# Allegro board BRD-05058-01_B04.brd (continued)
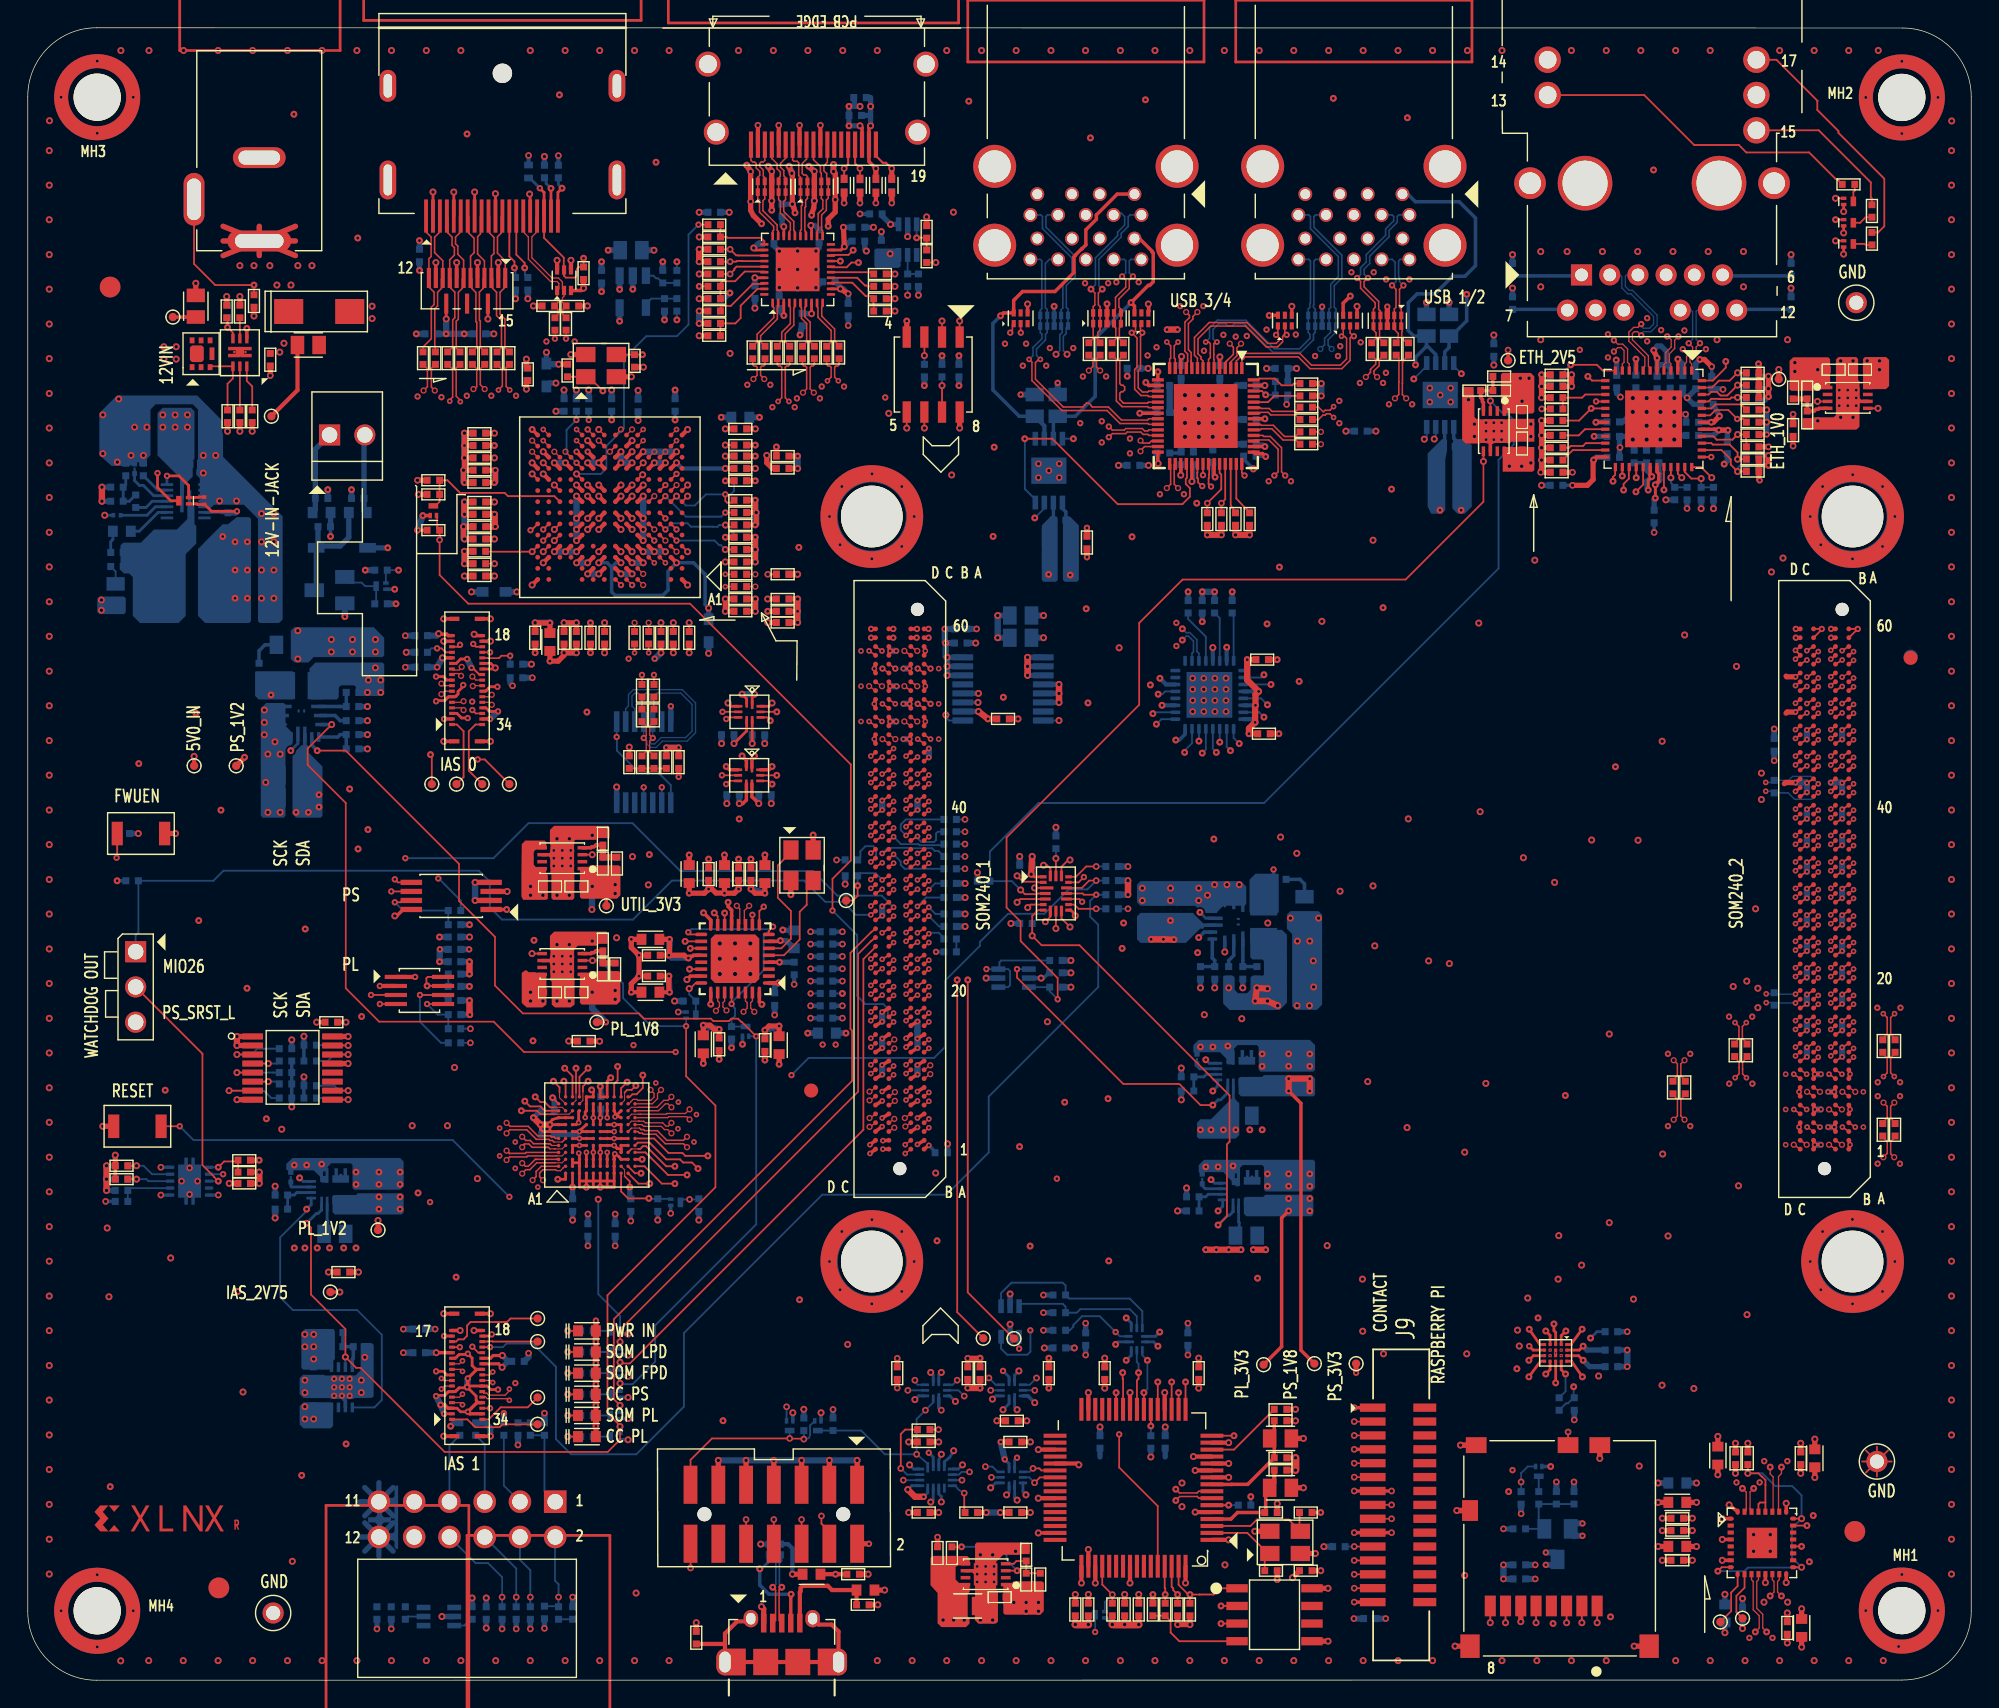
[diagram p0: board, top side]
## Routing (per net, layer and track width the routed paths; a pad name or vN(x,y) marks a point on that pad's centre or on a via; arc(x,y) is an arc through that point) (continued)
IAS0_D1_D_P: length 60.5
  TOP w0.094: J7.30 33.25,70.42 v5(33.42,70.25)
  TOP w0.114: U34.A3 38.1,37.51 38.1,37.51 36.66,37.51 36.66,37.51 36.56,37.51 36.56,37.51 36.06,37.01 35.84,37.01 v5(35.62,37.23)
  L03_SIG w0.099: 33.84,36.84 33.86,36.84 33.89,36.82 34.51,36.82 34.93,37.24 35.28,37.24 35.28,37.23 v5(35.62,37.23)
  L03_SIG w0.112: v5(33.42,70.25) 33.22,70.45 32.91,70.45 32.74,70.28 32.74,69.01 33.24,68.51 33.95,68.51 34.21,68.25 34.21,65.71 34.32,65.6 34.77,65.6 34.88,65.71 34.88,68.25 35.14,68.51 36.31,68.51 36.63,68.19 36.63,66.47 37.03,66.07 38.85,66.07 39.21,65.72 39.21,64.83 38.8,64.42 33.85,64.42 33.54,64.11 33.54,59.62 31.55,57.63 31.55,54.79 30.85,54.1 30.85,46.06 31.55,45.36 31.55,39.25 31.66,39.14 32.3,39.14 32.42,39.03 32.42,38.83 32.27,38.69 31.66,38.69 31.55,38.58 31.55,38.05 32.76,36.84 33.84,36.84
IAS0_D2_D_N: length 60.7
  TOP w0.076: U34.B5 38.49,38.26 37.99,38.26 37.99,38.26
  TOP w0.089: 37.99,38.26 37.94,38.26 37.94,38.27 37.61,38.27
  TOP w0.094: v5(32.03,72.28) 32.28,72.02 J7.26
  TOP w0.114: 37.61,38.27 37.5,38.37 37.41,38.37 37.4,38.38 36.33,38.38 36.09,38.62 35.78,38.62 35.62,38.45 v5(35.62,38.39)
  L03_SIG w0.112: v5(32.03,72.28) 32.2,72.1 32.44,72.1 32.56,72.23 32.56,72.94 33.24,73.62 34.3,73.62 35.66,72.26 35.66,71.29 36.05,70.9 37.14,70.9 37.25,71.01 37.25,72.19 37.51,72.45 38.17,72.45 38.43,72.19 38.43,71.01 38.54,70.9 38.99,70.9 39.1,71.01 39.1,72.19 39.36,72.45 40.02,72.45 40.28,72.19 40.28,71.01 40.39,70.9 40.68,70.9 41.66,69.92 41.66,63.24 40.61,62.19 36.86,62.19 36.05,61.38 36.05,57.94 35.47,57.35 35.47,54.14 34.4,53.08 34.4,41.56 36.52,39.44 36.52,38.9 36.27,38.65 35.88,38.65 v5(35.62,38.39)
IAS0_D2_D_P: length 60.7
  TOP w0.089: 37.74,38.51 U34.A5
  TOP w0.094: J7.27 32.1,71.62 32,71.53 32,71.53 v5(32.06,71.59)
  TOP w0.114: v5(35.62,39.14) 35.88,38.87 36.2,38.87 36.43,38.64 37.51,38.64 37.51,38.63 37.63,38.63 37.74,38.51
  L03_SIG w0.112: v5(35.62,39.14) 35.85,38.9 36.16,38.9 36.27,39.01 36.27,39.33 34.15,41.45 34.15,41.93 34.04,42.04 33.89,42.04 33.78,42.15 33.78,42.37 33.89,42.49 34.04,42.49 34.15,42.6 34.15,42.82 34.04,42.93 33.89,42.93 33.78,43.04 33.78,43.27 33.89,43.38 34.04,43.38 34.15,43.49 34.15,43.72 34.04,43.83 33.89,43.83 33.78,43.94 33.78,44.16 33.89,44.27 34.04,44.27 34.15,44.39 34.15,53.18 35.22,54.25 35.22,57.46 35.8,58.04 35.8,61.49 36.75,62.44 40.5,62.44 41.41,63.34 41.41,69.82 40.58,70.65 40.29,70.65 40.03,70.91 40.03,72.09 39.91,72.2 39.47,72.2 39.35,72.09 39.35,70.91 39.09,70.65 38.44,70.65 38.18,70.91 38.18,72.09 38.06,72.2 37.62,72.2 37.51,72.09 37.51,70.91 37.25,70.65 35.95,70.65 35.41,71.19 35.41,72.16 34.2,73.37 33.35,73.37 32.82,72.84 32.82,72.12 32.54,71.85 32.32,71.85 v5(32.06,71.59)
IAS0_D3_D_N: length 60.6
  TOP w0.076: 37.91,38.76 37.92,38.76 38.49,38.76
  TOP w0.094: J7.11 30.63,72.75 31.08,72.75 31.25,72.92 31.25,72.97 v5(31.26,72.97)
  TOP w0.114: v5(34.49,39.39) 34.49,39.41 34.72,39.63 35.95,39.63 36.63,38.95 37.53,38.95 37.61,38.87 37.8,38.87 37.91,38.76 ; U34.B6 38.49,38.76
  L03_SIG w0.112: v5(31.26,72.97) 31.25,72.97 31.25,72.9 31.11,72.76 30.8,72.76 30.55,72.51 30.55,71.55 31.09,71.01 31.57,71.01 31.71,70.87 32.18,70.87 32.2,70.86 32.46,70.86 33.55,71.94 34,71.94 34.23,71.71 34.23,71.38 34.1,71.24 34.1,70.11 34.84,69.37 39.18,69.37 40.05,68.49 40.05,68.12 39.94,68.01 37.78,68.01 37.52,67.75 37.52,67.09 37.78,66.83 39.94,66.83 40.05,66.72 40.05,64.39 39.3,63.64 36.13,63.64 34.41,61.91 34.41,58.73 32.87,57.19 32.87,47.1 32.68,46.91 32.68,39.9 32.96,39.61 33.55,39.61 33.79,39.37 34.48,39.37 v5(34.49,39.39)
IAS0_D3_D_P: length 60.6
  TOP w0.089: U34.A6 38.02,39.01
  TOP w0.094: v5(31.22,72.33) 31.22,72.33 31.05,72.49 30.63,72.49 J7.10
  TOP w0.114: 38.02,39.01 38.02,39.02 37.92,39.12 37.72,39.12 37.64,39.2 36.74,39.2 36.05,39.89 34.75,39.89 34.5,40.14 v5(34.49,40.14)
  L03_SIG w0.112: v5(34.49,40.14) 34.46,40.17 33.86,40.17 33.55,39.87 33.06,39.87 32.93,40 32.93,41.04 33.16,41.27 33.16,41.43 32.93,41.67 32.93,42.02 33.04,42.14 33.11,42.14 33.22,42.25 33.22,42.47 33.11,42.58 33.04,42.58 32.93,42.7 32.93,42.92 33.04,43.03 33.11,43.03 33.22,43.14 33.22,43.37 33.11,43.48 33.04,43.48 32.93,43.59 32.93,43.81 33.04,43.92 33.11,43.92 33.22,44.04 33.22,44.26 33.11,44.37 33.04,44.37 32.93,44.48 32.93,44.71 33.04,44.82 33.16,44.82 33.27,44.93 33.27,45.15 33.16,45.27 33.04,45.27 32.93,45.38 32.93,46.72 33.12,46.91 33.12,57.08 34.66,58.63 34.66,61.81 36.24,63.39 39.41,63.39 40.31,64.29 40.31,66.82 40.05,67.08 37.88,67.08 37.77,67.2 37.77,67.64 37.88,67.75 40.05,67.75 40.31,68.01 40.31,68.6 39.28,69.62 34.95,69.62 34.35,70.22 34.35,71.14 34.49,71.27 34.49,71.81 34.1,72.2 33.45,72.2 32.36,71.11 32.3,71.11 32.29,71.13 31.81,71.13 31.68,71.26 31.19,71.26 30.8,71.65 30.8,72.4 30.9,72.51 31.1,72.51 31.22,72.39 v5(31.22,72.33)
IAS0_EXTCLK: length 37.1
  TOP w0.076: 37.93,41.26 38.49,41.26 38.74,41.01 U34.B10
  TOP w0.127: J7.32 32.27,69.62 v2(32.03,69.86)
  TOP w0.132: 37.93,41.26 37.62,41.26 37.24,41.64 36.93,41.64 v6(36.56,42.01)
  L12_SIG w0.102: v2(32.03,69.86) 32.08,69.81 32.08,68.84 31.5,68.26 31.5,66.03 33.43,64.11 33.43,42.05 34.95,40.52 35.74,40.52 36.56,41.34 v6(36.56,42.01)
IAS0_RESET: length 38.9
  TOP w0.076: U34.C10 38.99,40.76 37.93,40.76
  TOP w0.127: J7.21 v2(33.3,74.02)
  TOP w0.132: v6(35.56,41.01) 36.68,41.01 36.93,40.76 37.93,40.76
  L12_SIG w0.102: v6(35.56,41.01) 35.03,41.54 34.83,41.54 34.29,42.08 34.29,54.7 33.99,55 33.99,65.58 34.4,65.98 34.4,70.01 33.22,71.2 33.22,73.28 33.3,73.37 v2(33.3,74.02)
IAS0_SCL: length 43.7
  TOP w0.076: U34.B11 38.31,41.95 38.31,42.32
  TOP w0.127: J7.14 30.1,74.02 29.81,74.31 v2(29.49,74.31)
  TOP w0.132: v6(37.87,43.14) 38.31,42.7 38.31,42.32
  L12_SIG w0.102: v2(29.49,74.31) 30.17,74.31 30.58,74.72 30.58,75.3 31.16,75.88 33,75.88 34.09,74.79 34.09,73.48 35.44,72.13 35.44,59.93 34.96,59.45 34.96,46.05 v6(37.87,43.14)
  BOTTOM w0.132: v2(29.49,74.31) 29.08,74.31 R257.2
IAS0_SDA: length 37.4
  TOP w0.076: U34.C11 39.24,41.51 39.49,41.76 39.49,42.32
  TOP w0.127: J7.22 33.12,73.62 33.14,73.6 33.95,73.6 34.12,73.78 v2(34.75,73.78)
  TOP w0.132: v6(39.49,44.07) 39.49,42.32
  L12_SIG w0.102: v2(34.75,73.78) 35.93,72.6 35.93,72.02 36.08,71.87 36.08,58.8 35.69,58.41 35.69,47.88 v6(39.49,44.07)
  BOTTOM w0.132: R258.2 v2(34.75,73.78)
IAS1_EXTCLK: length 44.3
  TOP w0.127: J8.32 v2(33.3,19.59)
  TOP w0.132: U17.18 v6(47.35,53.21)
  L05_SIG w0.102: v2(33.3,19.59) 34.1,19.59 34.13,19.62 35.62,19.62 39.49,23.5 40.77,23.5 41.93,24.66 41.93,25.24 45.38,28.69 45.38,31.79 47.8,34.21 47.85,34.21 48.09,34.45 48.09,36.41 47.61,36.89 47.61,44.09 47.88,44.36 47.88,48.89 47.07,49.7 47.07,52.92 v6(47.35,53.21)
IAS1_I2C_SCK: length 37.5
  TOP w0.127: J8.14 v2(31.12,23.99)
  TOP w0.132: U18.7 v4(14.5,42.46)
  L03_SIG w0.102: v4(14.5,42.46) 15.25,42.46 15.36,42.57 22.2,42.57 22.67,43.04 23.45,43.04 23.9,42.59 23.9,37.5 24.23,37.17 24.23,31.26 30.38,25.1 30.38,24.72 v2(31.12,23.99)
  BOTTOM w0.132: v4(14.5,42.46) 14.53,42.43 17.04,42.43 17.55,41.92 R58.2
IAS1_I2C_SDA: length 32.4
  TOP w0.127: J8.22 32.46,23.59 v2(32.03,24.02)
  TOP w0.132: U18.6 v4(17.33,43.11)
  L03_SIG w0.102: v2(32.03,24.02) 31.7,24.35 31.7,25.54 24.76,32.48 24.76,42.33 23.53,43.56 22.12,43.56 21.6,43.03 18.81,43.03 18.73,43.11 v4(17.33,43.11)
  BOTTOM w0.132: v4(17.33,43.11) 17.95,43.11 R63.2
IAS1_RESET_B: length 80.2
  TOP w0.127: J8.21 v2(33.3,23.99) ; v2(76.97,56.57) 76.97,56.57 76.08,56.57 75.99,56.66 U19.14
  BOTTOM w0.132: R208.2 v2(76.97,56.57) 76.53,56.13 76.53,54.99 77.11,54.41 77.11,49.92 69.23,42.03 69.23,38.01 66.18,34.96 57.23,34.96 47.27,25 47.27,19.7 43.84,16.27 39.14,16.27 38.05,17.36 38.05,22.57 36.38,24.24 34.48,24.24 34.23,23.99 v2(33.3,23.99)
IAS_2V75: length 5.1
  TOP w0.254: TP23.1 v4(22.48,27.95) ; v4(32.15,75.33) 32.26,75.22 J7.18 ; J8.17 v4(31.15,25.19) ; v4(29.6,75.36) 29.63,75.33 30.18,75.33 30.28,75.22 J7.17 ; J8.18 v4(32.15,25.19)
  BOTTOM w0.432: C142.1 29.46,75.22 v4(29.6,75.36) ; C135.1 v1(29.35,25.29)
  vias: v4(19.96,24.91) v4(19.96,24.02) v4(20.6,24.91) v4(20.6,24.02) v4(20.6,23.13)
IAS_2V75_FB: length 3.3
  BOTTOM w0.254: R27.2 C27.2 R29.1 23.45,23.19 23.38,23.12 U8.4
ISP_EXTCLK: length 23.6
  TOP w0.132: U17.19 47.74,52.71 v6(47.73,52.7) ; v6(46.62,35.76) 45.68,35.76 44.43,37.01 43.74,37.01 U34.M2
  L12_SIG w0.102: v6(46.62,35.76) 46.62,36.24 47.52,37.14 47.52,43.14 45.26,45.41 45.26,50.02 45.27,50.04 45.27,50.49 46.28,51.5 46.53,51.5 v6(47.73,52.7)
ISP_I2C_SCK: length 37.3
  TOP w0.132: U34.C12 39.24,43.51 v6(38.68,44.07) ; U18.5 v4(15.07,43.76)
  L12_SIG w0.102: v6(38.68,44.07) 39.09,43.66 39.09,40.77 37.82,39.51 34.95,39.51 33.81,40.65 21.95,40.65 17.63,44.97 16.28,44.97 v4(15.07,43.76)
  BOTTOM w0.132: v4(15.07,43.76) 17.67,43.76 17.67,43.76 R57.2
ISP_I2C_SDA: length 33.2
  TOP w0.132: v6(40.37,44.07) 39.74,43.45 U34.D12 ; U18.4 v4(17.33,44.41)
  L12_SIG w0.102: v4(17.33,44.41) 22.6,39.14 38.19,39.14 39.29,40.24 39.29,40.63 39.97,41.31 39.97,43.68 v6(40.37,44.07)
  BOTTOM w0.132: R62.2 17.93,44.41 v4(17.33,44.41)
ISP_RESET_B: length 49.9
  TOP w0.127: U19.15 75.93,57.06 76.46,57.58 v1(76.97,57.58)
  TOP w0.132: U34.L1 43.99,35.76 v6(44.81,35.76)
  L12_SIG w0.102: v6(44.81,35.76) 45.37,35.2 47.2,35.2 50.07,38.07 50.07,38.63 v2(55.01,43.58)
  BOTTOM w0.132: R207.2 v1(76.97,57.58) 76.33,56.95 74.99,56.95 73.24,55.19 70.62,55.19 68.59,53.17 68.59,52.88 66.07,50.37 66.07,45.6 65.29,44.81 56.25,44.81 v2(55.01,43.58)
JTAG_TCK_C2M: length 87.1
  TOP w0.132: J3.6 v1(55.74,11.57) ; JA1.A25 v3(64.91,53.76) ; R66.2 v1(65.61,18.05)
  L03_SIG w0.102: v1(65.61,18.05) 61.24,18.05 55.74,12.56 v1(55.74,11.57)
  L05_SIG w0.102: v1(55.74,11.57) 55.74,10.45 56.84,9.36 61.12,9.36 61.27,9.51 66.04,9.51 66.64,10.11 71.01,10.11 73.48,12.59 73.48,16.6 71.86,18.21 68.1,18.21 66.34,19.97 66.34,20.64 66.7,20.99 67.05,20.99 68.2,22.14 68.2,23.51 68.02,23.69 68.02,48.78 68.27,49.03 68.27,50.96 65.48,53.76 v3(64.91,53.76)
  BOTTOM w0.132: v3(64.91,53.76) 64.98,53.83 65.63,53.83 65.99,53.46 R264.1
JTAG_TDI_C2M: length 86.4
  TOP w0.132: J3.10 v1(51.74,11.57) ; JA1.A24 v3(64.91,53.12)
  L03_SIG w0.102: v1(63.07,14.41) 59.09,10.43 52.89,10.43 v1(51.74,11.57)
  L05_SIG w0.102: v1(51.74,11.57) 52.34,10.98 54.06,10.98 55.16,12.07 55.96,12.07 56.21,11.83 56.21,10.86 56.87,10.2 59.97,10.2 60.34,10.57 65.22,10.57 65.37,10.72 65.71,10.72 65.86,10.57 69.71,10.57 72.32,13.18 72.32,13.52 71.86,13.99 71.86,16.12 70.31,17.66 68.21,17.66 66.11,19.75 66.11,21.43 67.03,22.34 67.03,23.53 67.44,23.93 67.44,48.81 66.5,49.74 66.5,52.03 65.41,53.12 v3(64.91,53.12)
  BOTTOM w0.132: U22.14 v1(63.07,14.41)
JTAG_TDO_M2C: length 82.4
  TOP w0.132: JA1.A23 v3(64.09,51.92) ; J3.8 v1(53.74,11.57)
  L03_SIG w0.102: v1(63.4,20.88) 61.97,19.45 58.77,19.45 53.74,14.42 v1(53.74,11.57)
  L05_SIG w0.102: v1(53.74,11.57) 54.81,12.64 56.11,12.64 56.64,12.1 56.64,11.29 57.18,10.76 59.63,10.76 59.99,11.11 68.79,11.11 69.47,11.79 69.47,13.03 70.28,13.84 70.28,13.86 70.46,14.04 70.46,15.15 68.43,17.18 67.48,17.18 65.39,19.27 65.39,21.09 66.34,22.04 66.34,36.95 65.84,37.45 65.84,39 66.18,39.35 66.18,51.16 65.11,52.24 64.41,52.24 v3(64.09,51.92)
  BOTTOM w0.132: U25.4 v1(63.4,20.88)
JTAG_TMS_C2M: length 79.6
  TOP w0.132: JA1.A22 v3(64.91,51.85) ; v1(57.17,11.83) 57.17,11.27 57.74,10.7 J3.4
  L03_SIG w0.102: v1(63.9,21.6) 64.41,21.1 64.41,20.08 63.01,18.68 59.81,18.68 55.04,13.91 55.04,11.42 55.42,11.04 56.39,11.04 v1(57.17,11.83)
  L05_SIG w0.102: v3(64.91,51.85) 65.84,50.93 65.84,39.83 65.43,39.42 65.43,38.03 64.57,37.17 64.57,20.59 65.1,20.05 65.1,19.16 67.89,16.37 68.65,16.37 70.05,14.97 70.05,13.93 68.92,12.8 67.78,12.8 66.5,11.52 62.2,11.52 60.3,13.43 58.18,13.43 57.17,12.42 v1(57.17,11.83)
  BOTTOM w0.132: U25.5 64.11,21.28 63.9,21.48 v1(63.9,21.6)
JTAG_VCCO_ON: length 23.4
  TOP w0.132: U24.21 v6(81.4,21.48) ; v1(67.46,13.48) 67.46,12.14 R241.1
  L03_SIG w0.102: v6(81.4,21.48) 81.4,20.83 80.16,19.59 80.16,17.41 76.51,13.77 70.34,13.77 70.01,13.44 67.5,13.44 v1(67.46,13.48)
  BOTTOM w0.132: v1(67.46,13.48) 67.08,13.7 66.8,14.01 U22.8
LS_OE_B: length 13.6
  BOTTOM w0.132: v1(64.03,16.27) 64.83,15.6 U22.1 ; v1(64.03,16.27) 64.03,18.81 v1(64.67,19.45) 65.23,20.01 U25.2 ; v1(64.03,16.27) 61.75,16.27 60.04,17.98 R233.2 Q12.3
MIO26: length 63.4
  TOP w0.132: JA1.D28 v3(60.73,55.12)
  BOTTOM w0.132: J1.1 7.77,53.64 7.97,53.84 R45.2 13.38,57.57 14.1,58.3 32.49,58.3 33.28,57.51 33.28,55.66 34.17,54.77 43.6,54.77 46.41,57.58 55.92,57.58 57.45,56.05 58.72,56.05 59.66,55.12 v3(60.73,55.12)
MIO27: length 14.5
  TOP w0.132: JA1.D29 v3(60.73,55.75) ; U28.8 53.38,64.77 v6(53.62,64.53)
  L12_SIG w0.102: v3(60.73,55.75) 58.28,55.75 55.01,59.02 55.01,63.13 v6(53.62,64.53)
MIO28: length 18.7
  TOP w0.132: JA1.D30 v3(61.55,56.96) ; U30.9 v6(53.96,69.74)
  L12_SIG w0.102: v3(61.55,56.96) 61.25,56.65 60.58,56.65 60.22,57.01 60.22,63.47 v6(53.96,69.74)
MIO29: length 19.8
  TOP w0.132: JA1.C30 v3(62.37,56.93) ; U30.8 53.26,69.34 v6(53.49,69.1)
  L12_SIG w0.102: v6(53.49,69.1) 57.68,64.91 57.68,57.75 58.77,56.66 60.2,56.66 60.45,56.4 61.84,56.4 v3(62.37,56.93)
MIO30: length 18
  TOP w0.132: U28.9 v6(53.95,65.17) ; JA1.C31 v3(62.37,57.57)
  L12_SIG w0.102: v6(53.95,65.17) 55.78,63.34 55.78,58.92 58.55,56.15 62.07,56.15 62.49,56.57 62.52,56.57 62.73,56.78 62.73,56.81 62.76,56.84 62.76,57.18 v3(62.37,57.57)
MIO31: length 5
  TOP w0.132: v6(59.78,57.22) 59.78,56.49 59.44,56.15 TP37.1 ; JA1.C32 v3(61.55,57.63)
  BOTTOM w0.132: v6(59.78,57.22) R263.1 59.97,58.12 61.06,58.12 v3(61.55,57.63)
MIO32_NC: length 0.4
  TOP w0.132: JA1.A31 v3(64.91,57.57)
MIO33_NC: length 0.6
  TOP w0.132: JA1.A32 v3(64.09,57.63)
MIO34_NC: length 0.4
  TOP w0.132: JA1.B38 v3(63.27,61.47)
MIO35: length 74
  TOP w0.132: JA1.B28 v3(63.27,55.12)
  L03_SIG w0.102: v6(28.12,35.09) 28.12,34.28 29.99,32.41 39.81,32.41 41.64,34.23 41.64,36.5 42.72,37.59 42.72,40.68 42.69,40.72 42.69,40.73 42.46,40.96 42.45,40.96 41.64,41.77 41.64,42.92 41.63,42.93 41.63,43.17 41.48,43.32 41.48,44.39 43.31,46.22 46.79,46.22 47.34,45.66 49.74,45.66 50.31,45.1 51.97,45.1 52.23,45.35 58.52,45.35 59.36,46.19 59.36,52.37 61.54,54.55 62.7,54.55 v3(63.27,55.12)
  L12_SIG w0.102: v6(28.12,35.09) 27.53,35.09 27.41,35.22 23.11,35.22 22.86,34.96 16.66,34.96 15.19,36.44 v2(14.07,36.44)
  BOTTOM w0.132: v2(14.07,36.44) U13.7
MIO36: length 40.7
  TOP w0.132: JA1.B29 v3(63.27,55.75)
  L05_SIG w0.102: v3(63.27,55.75) 63.65,55.37 63.65,54.75 63.85,54.55 65.4,54.55 67.99,51.96 68.98,51.96 69.52,51.42 69.52,49.08 69.19,48.76 69.19,23.02 68.71,22.54 68.71,21.53 v1(69.37,20.88)
  BOTTOM w0.132: U64.4 v1(69.37,20.88)
MIO37: length 40.5
  TOP w0.132: JA1.B30 v3(64.09,56.96)
  L05_SIG w0.102: v3(64.09,56.96) 64.11,56.96 64.83,56.24 65.24,56.24 66.43,55.04 66.43,54.13 67.52,53.04 68.69,53.04 69.98,51.74 69.98,23.13 69.24,22.39 v1(69.24,21.77)
  BOTTOM w0.132: v1(69.24,21.77) 69.73,21.28 U64.5
MIO38: length 12.1
  TOP w0.132: v4(72.03,55.64) 72.25,55.86 U19.6 ; JA1.B32 v3(63.27,57.66)
  L12_SIG w0.102: v4(72.03,55.64) 71.66,55.64 71.53,55.51 68.98,55.51 68.78,55.72 66.75,55.72 65.56,56.91 65.56,57.55 65.05,58.05 63.67,58.05 v3(63.27,57.66)
MIO39: length 68.1
  TOP w0.132: JA1.B33 v3(64.09,58.86)
  TOP w0.203: v6(108.14,23.04) 108.47,23.37 U38.E3
  L05_SIG w0.102: v3(64.09,58.86) 64.49,58.47 65.04,58.47 67.11,56.4 67.11,56.19 67.75,55.55 68.21,55.55 71.76,52 71.76,39.66 88.38,23.04 v6(108.14,23.04)
MIO40_NC: length 0.4
  TOP w0.132: JA1.B34 v3(63.27,58.93)
MIO41_NC: length 0.4
  TOP w0.132: JA1.A34 v3(64.91,59.47)
MIO42_NC: length 0.6
  TOP w0.132: JA1.A35 v3(64.09,59.54)
MIO43: length 10
  TOP w0.132: v4(71.27,57.93) 71.69,57.5 72.72,57.5 72.77,57.46 U19.2 ; JA1.A36 v3(64.91,60.74)
  L12_SIG w0.102: v4(71.27,57.93) 68.55,60.64 67.08,60.64 66.98,60.74 v3(64.91,60.74)
MIO44: length 14.3
  TOP w0.132: U19.5 71.51,56.26 v4(71.27,56.02) ; JA1.D32 v3(60.73,57.66)
  L12_SIG w0.102: v3(60.73,57.66) 61.38,58.31 65.81,58.31 67.33,56.78 68.6,56.78 69.37,56.02 v4(71.27,56.02)
MIO45: length 86.4
  TOP w0.132: JA1.D33 v3(61.55,58.86) ; J11.13 v1(110.96,17.87)
  L02_GND w0.127: v7(110.47,23.77) 110.47,23.77 110.51,23.77 111.37,24.64 v6(112.58,24.64)
  L05_SIG w0.102: v3(61.55,58.86) 62,59.31 62,59.62 62.31,59.93 64.94,59.93 65.04,59.84 65.07,59.84 65.28,59.62 65.28,59.59 66.68,58.19 66.68,57.53 67.43,56.78 67.84,56.78 72.44,52.18 72.44,40.09 87.9,24.64 v6(112.58,24.64) 112.58,21.47 110.96,19.84 v1(110.96,17.87)
  BOTTOM w0.203: v6(112.58,24.64) 113.04,25.1 R130.2
MIO46: length 3.6
  TOP w0.132: JA1.D34 v3(60.73,58.93)
  BOTTOM w0.132: R250.1 59.98,59.26 59.98,59.69 60.34,60.06 60.91,60.06 61.11,59.86 61.11,59.31 v3(60.73,58.93)
MIO46_SDIO_DAT0: length 79.9
  TOP w0.203: U38.D1 109.67,24.84 v6(109.35,25.15)
  L03_SIG w0.102: v6(109.35,25.15) 109.35,26.05 109.53,26.22 109.53,26.66 109.24,26.95 107.14,26.95 96.07,38.03 84.31,38.03 80.43,41.91 80.43,54.78 80.8,55.15 80.8,58.2 79.17,59.82 71.09,59.82 68.9,57.63 67.99,57.63 67.76,57.86 66.07,57.86 65.7,58.24 59.1,58.24 v1(58.26,59.07)
  BOTTOM w0.132: R250.2 v1(58.26,59.07)
MIO47: length 4.6
  TOP w0.132: JA1.C34 v3(62.37,59.47)
  BOTTOM w0.132: v3(62.37,59.47) 62.89,58.96 62.89,58.71 63.17,58.43 R251.1
MIO47_SDIO_DAT1: length 79.1
  TOP w0.203: U38.E1 108.93,24.17 v6(108.16,25.28)
  L05_SIG w0.102: v1(67.51,58.43) 67.51,58.41 69.47,56.45 72.52,56.45 74.57,54.4 74.57,53.94 79.23,49.28 79.23,34.5 87.77,25.96 96.74,25.96 96.85,26.06 96.85,26.82 96.95,26.92 97.35,26.92 97.46,26.82 97.46,26.06 97.56,25.96 97.96,25.96 98.07,26.06 98.07,26.82 98.17,26.92 98.57,26.92 98.67,26.82 98.67,26.06 98.78,25.96 99.18,25.96 99.28,26.06 99.28,26.82 99.39,26.92 99.79,26.92 99.89,26.82 99.89,26.06 100,25.96 100.4,25.96 100.5,26.06 100.5,26.82 100.61,26.92 101.01,26.92 101.11,26.82 101.11,26.06 101.21,25.96 101.62,25.96 101.72,26.06 101.72,26.82 101.82,26.92 102.23,26.92 102.33,26.82 102.33,26.06 102.43,25.96 102.84,25.96 102.94,26.06 102.94,26.82 103.04,26.92 103.45,26.92 103.55,26.82 103.55,26.06 103.65,25.96 104.06,25.96 104.16,26.06 104.16,26.82 104.26,26.92 104.67,26.92 104.77,26.82 104.77,26.06 104.87,25.96 105.28,25.96 105.38,26.06 105.38,26.82 105.48,26.92 105.89,26.92 105.99,26.82 105.99,26.06 106.09,25.96 107.48,25.96 v6(108.16,25.28)
  BOTTOM w0.132: R251.2 v1(67.51,58.43)
MIO48: length 5.4
  TOP w0.132: JA1.C35 v3(61.55,59.54)
  BOTTOM w0.132: R252.1 65.6,59.72 65.33,59.72 65.14,59.91 63.45,59.91 63.43,59.94 61.95,59.94 v3(61.55,59.54)
MIO48_SDIO_DAT2: length 78.5
  TOP w0.203: U38.A1 111.17,24.17 v6(111.97,25.28)
  L03_SIG w0.102: v6(111.97,25.28) 111.97,26.49 112.75,27.27 112.75,36.19 108,40.95 89.47,40.95 84.97,45.44 84.97,45.9 83.51,47.37 83.51,58 79.43,62.08 69.85,62.08 68.45,60.68 67.22,60.68 67.06,60.52 67.06,59.78 v1(67.51,59.32)
  BOTTOM w0.132: R252.2 v1(67.51,59.32)
MIO49: length 4.3
  TOP w0.132: JA1.C36 v3(62.37,60.74)
  BOTTOM w0.132: R253.1 65.91,60.13 64.24,60.13 64.16,60.21 62.9,60.21 v3(62.37,60.74)
MIO49_SDIO_DAT3: length 78.4
  TOP w0.203: U38.B1 110.47,24.81 v6(110.8,25.15)
  L03_SIG w0.102: v6(110.8,25.15) 110.8,26.8 109.83,27.77 109.48,27.77 102.85,34.39 102.85,34.54 104.01,35.7 104.01,35.84 103.72,36.13 103.58,36.13 102.42,34.97 102.28,34.97 101.99,35.25 101.99,35.4 103.15,36.56 103.15,36.7 102.86,36.99 102.72,36.99 101.56,35.83 101.41,35.83 101.13,36.12 101.13,36.26 102.29,37.42 102.29,37.56 102,37.85 101.86,37.85 100.7,36.69 100.55,36.69 97.07,40.17 88.5,40.17 83,45.66 83,57.63 79.74,60.89 69.52,60.89 68.83,60.21 v1(67.51,60.21)
  BOTTOM w0.132: R253.2 v1(67.51,60.21)
MIO50: length 3.3
  TOP w0.132: JA1.B36 v3(64.09,60.77)
  BOTTOM w0.132: R249.1 65.56,61.1 65.43,60.97 65.43,60.5 65.3,60.37 64.36,60.37 64.09,60.63 v3(64.09,60.77)
MIO50_SDIO_CMD: length 79.1
  TOP w0.203: v6(109.94,25.66) 109.94,25.18 110.07,25.05 U38.C1
  L03_SIG w0.102: v6(109.94,25.66) 109.94,26.96 109.59,27.32 108.88,27.32 106.57,29.63 106.42,29.63 105.97,29.17 105.83,29.17 105.54,29.46 105.54,29.61 105.99,30.06 105.99,30.2 105.7,30.49 105.56,30.49 105.11,30.04 104.96,30.04 104.68,30.32 104.68,30.47 105.13,30.92 105.13,31.06 104.84,31.35 104.7,31.35 104.25,30.9 104.1,30.9 103.81,31.19 103.81,31.33 104.27,31.78 104.27,31.92 103.98,32.21 103.84,32.21 103.38,31.76 103.24,31.76 102.95,32.05 102.95,32.19 103.4,32.64 103.4,32.79 97.15,39.04 84.23,39.04 81.39,41.88 81.39,58.36 79.42,60.33 69.93,60.33 68.48,58.88 67.24,58.88 66.53,59.59 66.53,60.47 67.16,61.1 v1(67.51,61.1)
  BOTTOM w0.132: R249.2 v1(67.51,61.1)
MIO51: length 4.6
  TOP w0.132: JA1.B37 v3(63.27,60.83)
  BOTTOM w0.132: R248.1 63.26,61.99 62.89,61.62 62.89,61.22 v3(63.27,60.83)
MIO51_SDIO_CLK: length 78.3
  L02_GND w0.127: v6(108.8,26.09) 108.8,24.64 v7(109.67,23.77)
  L05_SIG w0.102: v1(67.51,61.99) 75.08,61.99 78.14,58.93 78.14,51.95 80.53,49.56 80.53,34.37 87.34,27.56 100.25,27.56 100.35,27.66 100.35,28.8 100.45,28.9 100.86,28.9 100.96,28.8 100.96,27.66 101.06,27.56 102.98,27.56 103.08,27.66 103.08,29.29 103.18,29.39 103.58,29.39 103.69,29.29 103.69,27.66 103.79,27.56 107.32,27.56 v6(108.8,26.09)
  BOTTOM w0.132: R248.2 v1(67.51,61.99)
MIO52: length 31.2
  TOP w0.132: JA1.D36 v3(61.55,60.77)
  L03_SIG w0.102: v3(61.55,60.77) 62.05,60.27 65.24,60.27 66.52,61.55 67.85,61.55 69.34,63.04 83.82,63.04 87.27,66.49 v6(87.27,67.45)
  BOTTOM w0.132: v6(87.27,67.45) 86.87,67.86 U37.1
MIO53: length 35.8
  TOP w0.132: JA1.D37 v3(60.73,60.83)
  L10_SIG w0.102: v3(60.73,60.83) 61.63,59.93 65.83,59.93 66,59.76 70.15,59.76 70.6,60.21 81.58,60.21 89.05,67.68 v6(89.05,69.36)
  BOTTOM w0.132: v6(89.05,69.36) 88.7,69.71 U37.31
MIO54: length 29.1
  TOP w0.132: JA1.D38 v3(60.73,61.47)
  L10_SIG w0.102: v3(60.73,61.47) 61.2,61.93 64.98,61.93 65.34,61.57 71.74,61.57 72.03,61.86 80.39,61.86 84.61,66.08 v6(84.61,66.77)
  BOTTOM w0.132: v6(84.61,66.77) 84.87,67.03 U37.5
MIO55: length 31.6
  TOP w0.132: JA1.C38 v3(61.55,61.44)
  L10_SIG w0.102: v6(86.64,66.94) 86.64,66.31 80.97,60.65 66.24,60.65 65.96,60.37 63.11,60.37 62.81,60.67 62.81,61.47 62.53,61.75 61.85,61.75 v3(61.55,61.44)
  BOTTOM w0.132: v6(86.64,66.94) 86.37,67.21 U37.2
MIO56: length 27.9
  TOP w0.132: JA1.C39 v3(62.37,62.65)
  L03_SIG w0.102: v6(85.87,67.55) 85.6,67.55 85.1,67.05 85.1,66.25 82.9,64.05 68.83,64.05 66.85,62.07 62.95,62.07 v3(62.37,62.65)
  BOTTOM w0.132: U37.3 v6(85.87,67.55)
MIO57: length 28.5
  TOP w0.132: JA1.C40 v3(62.37,63.28)
  L10_SIG w0.102: v6(85.62,66.82) 85.24,67.19 84.34,67.19 83.86,66.71 83.86,66.48 79.88,62.5 66.57,62.5 66.31,62.24 63.02,62.24 62.76,62.5 62.76,62.89 v3(62.37,63.28)
  BOTTOM w0.132: U37.4 85.37,67.07 v6(85.62,66.82)
MIO58: length 31.7
  TOP w0.132: JA1.B40 v3(63.27,62.74)
  L03_SIG w0.102: v6(89.3,70.25) 88.79,69.73 87.3,69.73 84.77,67.2 84.19,67.2 84.14,67.25 82.7,67.25 81.54,66.09 68.71,66.09 66.34,63.72 63.94,63.72 63.72,63.5 63.72,63.19 v3(63.27,62.74)
  BOTTOM w0.132: U37.29 88.84,70.71 v6(89.3,70.25)
MIO59: length 24.8
  TOP w0.132: JA1.B41 v3(63.27,63.37)
  L03_SIG w0.102: v3(63.27,63.37) 64,64.1 65.45,64.1 68.21,66.86 80.78,66.86 82.26,68.34 83.66,68.34 v6(84.37,67.63)
  BOTTOM w0.132: U37.6 v6(84.37,67.63)
MIO60: length 27.8
  TOP w0.132: JA1.B42 v3(64.09,64.58)
  L03_SIG w0.102: v3(64.09,64.58) 63.8,64.58 63.5,64.27 63.27,64.27 62.74,63.75 62.74,62.76 63.22,62.28 65.28,62.28 65.65,62.65 66.29,62.65 69.1,65.46 81.98,65.46 v6(83.34,66.82)
  BOTTOM w0.132: U37.7 83.87,67.48 83.34,66.94 v6(83.34,66.82)
MIO61: length 27.9
  TOP w0.132: JA1.A38 v3(64.09,61.44)
  L03_SIG w0.102: v3(64.09,61.44) 63.69,61.84 62.41,61.84 62,62.24 62,63.66 62.86,64.51 62.86,65.43 63.11,65.68 65.89,65.68 67.83,67.62 80.07,67.62 v6(81.3,68.85)
  BOTTOM w0.132: U37.9 81.66,69.21 v6(81.3,68.85)
MIO62: length 21.1
  TOP w0.132: JA1.A39 v3(64.91,62.65)
  L10_SIG w0.102: v6(81.05,69.61) 74.32,62.88 65.15,62.88 v3(64.91,62.65)
  BOTTOM w0.132: v6(81.05,69.61) 81.15,69.71 U37.10
MIO63: length 21.5
  TOP w0.132: JA1.A40 v3(64.91,63.28)
  L10_SIG w0.102: v6(81.43,71.01) 76.45,66.03 67.66,66.03 v3(64.91,63.28)
  BOTTOM w0.132: U37.13 81.93,71.21 81.74,71.01 v6(81.43,71.01)
MIO64: length 76.9
  TOP w0.132: JA1.D40 v3(60.73,62.74) ; v6(115.85,85.58) 116.37,86.1 U36.29
  L12_SIG w0.102: v3(60.73,62.74) 61.33,62.14 64.93,62.14 65.2,62.41 67.69,62.41 97.84,62.41 100.58,65.15 108.9,65.15 117.59,73.84 117.59,83.84 v6(115.85,85.58)
MIO65: length 76.7
  TOP w0.132: v6(115.87,86.6) U36.28 ; JA1.D41 v3(60.73,63.37)
  L12_SIG w0.102: v3(60.73,63.37) 61.1,63.74 65.07,63.74 65.62,63.19 96.2,63.19 96.2,63.2 99.88,66.88 103.09,66.88 103.19,66.78 103.19,66.17 103.29,66.07 103.7,66.07 103.8,66.17 103.8,66.78 103.9,66.88 104.31,66.88 104.41,66.78 104.41,66.17 104.51,66.07 104.92,66.07 105.02,66.17 105.02,66.78 105.12,66.88 107.69,66.88 116.23,75.42 116.23,83.7 115.39,84.54 115.39,86.12 v6(115.87,86.6)
MIO66: length 76.8
  TOP w0.132: v6(114.96,85.71) 114.96,86.15 115.34,86.53 115.34,87.34 U36.27 ; JA1.D42 v3(61.55,64.58)
  L12_SIG w0.102: v3(61.55,64.58) 61.57,64.58 62.15,63.99 65.46,63.99 65.68,63.77 94.4,63.77 98.79,68.16 106.93,68.16 112.52,73.75 112.52,73.89 111.51,74.9 111.51,75.04 111.8,75.33 111.94,75.33 112.95,74.32 113.09,74.32 113.38,74.61 113.38,74.75 112.37,75.76 112.37,75.9 112.66,76.19 112.8,76.19 113.81,75.18 113.95,75.18 114.96,76.19 v6(114.96,85.71)
MIO67: length 76.5
  TOP w0.132: v6(114.87,86.72) U36.26 ; JA1.C42 v3(62.37,64.55)
  L12_SIG w0.102: v3(62.37,64.55) 62.74,64.18 65.07,64.18 65.29,64.4 92.41,64.4 97.54,69.53 104.02,69.53 106.44,71.95 106.58,71.95 107.67,70.86 107.82,70.86 108.11,71.15 108.11,71.29 107.02,72.38 107.02,72.53 107.3,72.81 107.45,72.81 108.54,71.72 108.68,71.72 108.97,72.01 108.97,72.15 107.88,73.24 107.88,73.39 108.16,73.68 108.31,73.68 109.4,72.59 109.54,72.59 109.83,72.87 109.83,73.02 108.74,74.11 108.74,74.25 114.32,79.83 114.32,85.88 114.87,86.42 v6(114.87,86.72)
MIO68: length 78.4
  TOP w0.132: v6(114.2,86.34) 114.2,86.65 114.35,86.81 114.35,87.35 U36.25 ; JA1.C43 v3(62.37,65.19)
  L05_SIG w0.102: v6(114.2,86.34) 114.2,75.53 107.59,68.92 107.45,68.92 106.03,70.33 105.89,70.33 105.6,70.05 105.6,69.9 107.02,68.49 107.02,68.34 106.73,68.06 106.59,68.06 105.17,69.47 105.03,69.47 104.74,69.18 104.74,69.04 106.15,67.63 106.15,67.48 103.96,65.29 65.33,65.29 65,65.62 63.94,65.62 63.64,65.33 63.64,64.49 63.42,64.27 63.12,64.27 62.89,64.5 62.89,64.67 v3(62.37,65.19)